# KiCad board misrc_v2.5_top_panel.kicad_pcb
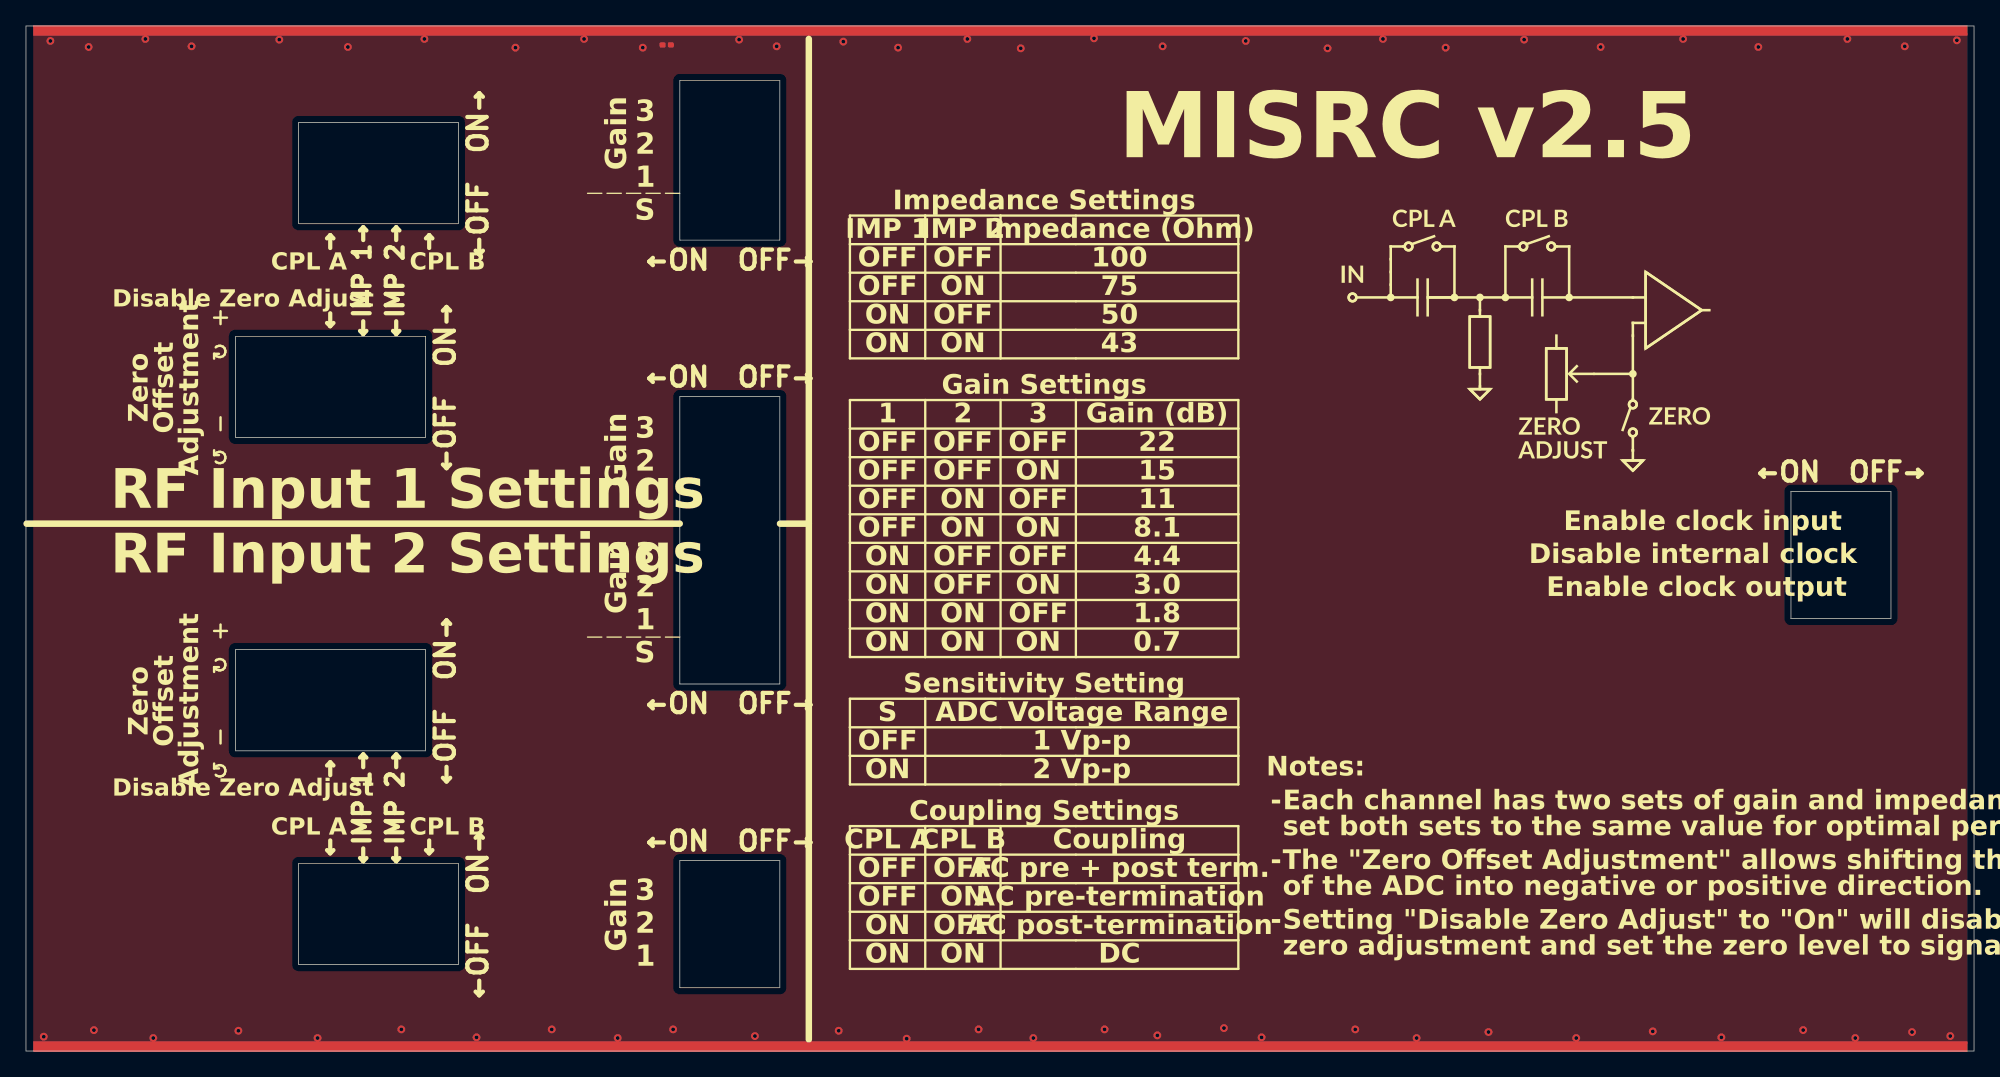
[diagram p0: board, top side]
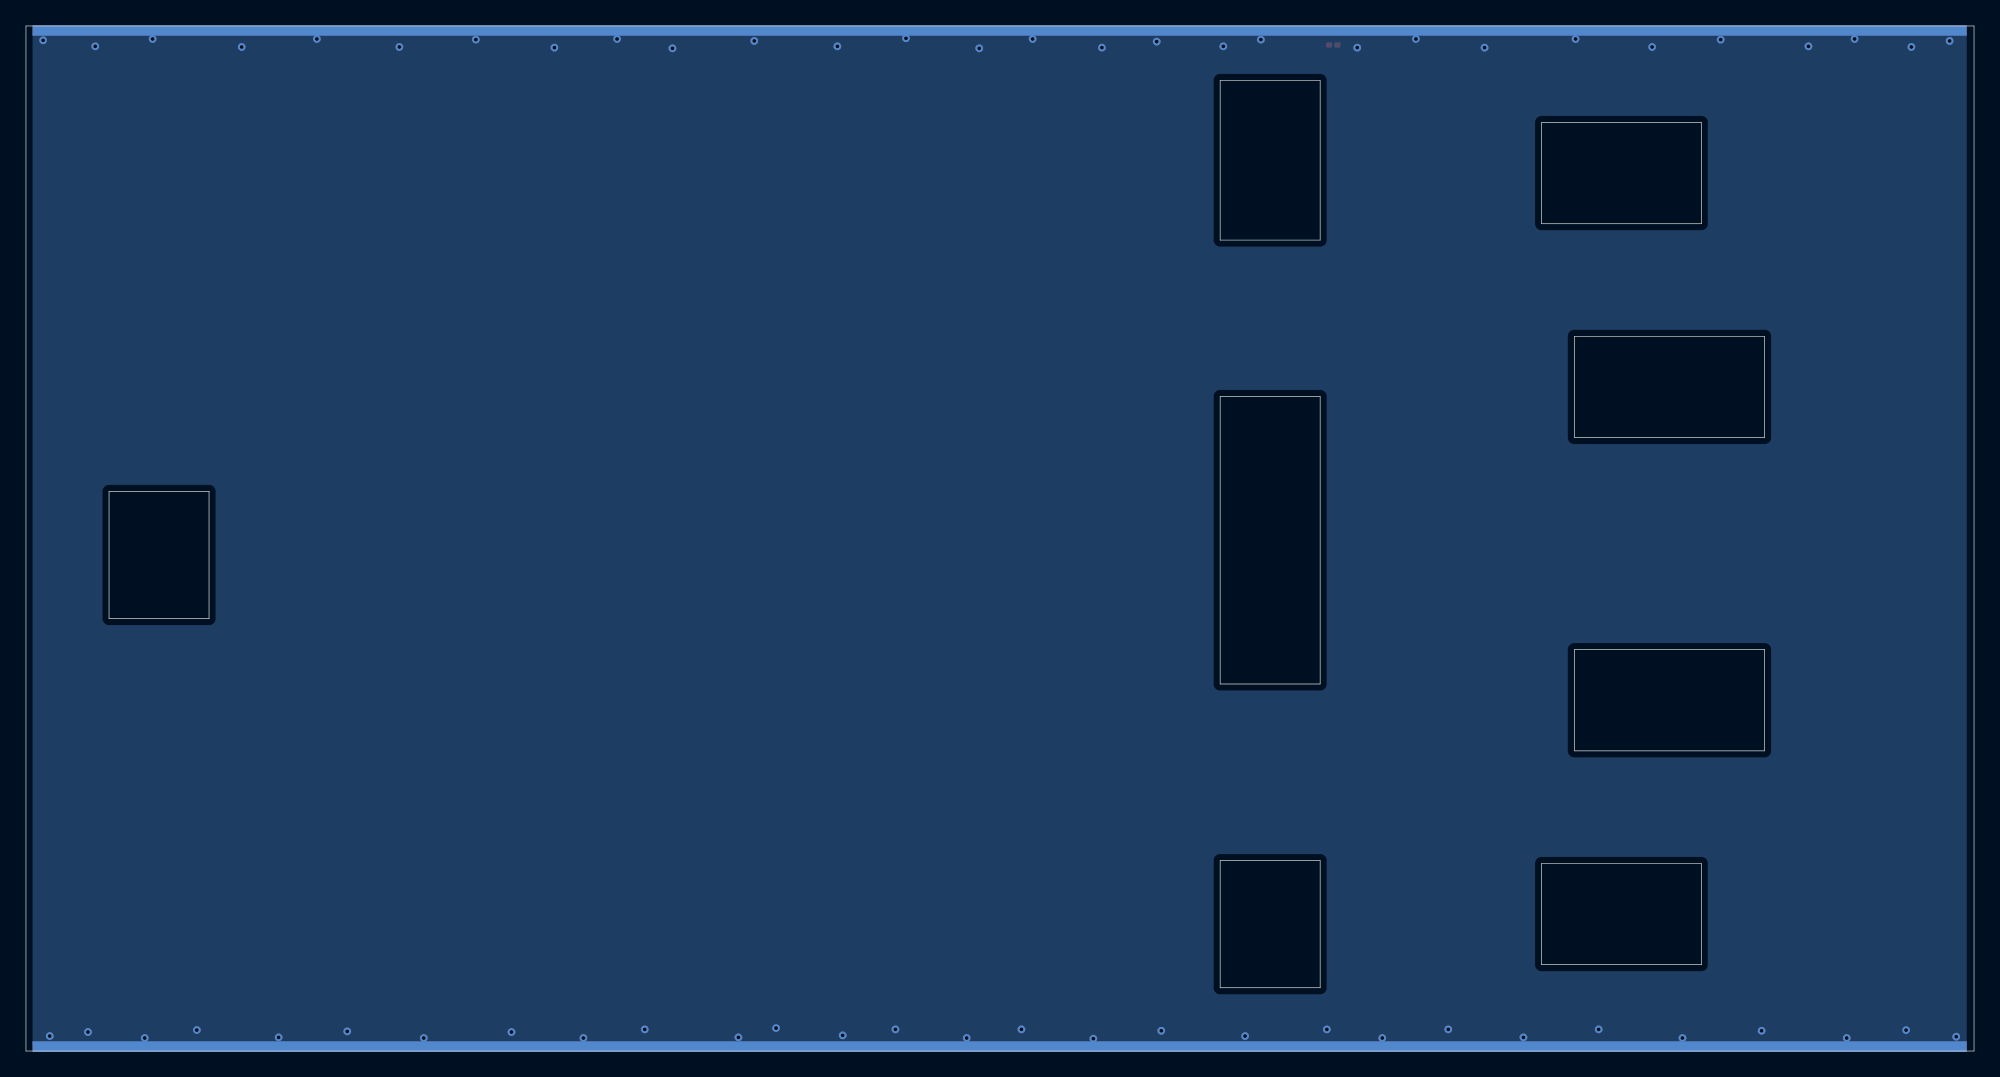
[diagram p1: board, bottom side, seen from below]

Outline 150.01 x 78.97 mm; copper layers: Top, Bottom. Coordinates in mm from the lower left corner of the outline.
Outline path: 0,78.97 0,0 150.01,0 150.01,78.97 0,78.97 ; 16.13,55.06 16.13,47.26 30.78,47.26 30.78,55.06 16.13,55.06 ; 16.13,30.93 16.13,23.13 30.78,23.13 30.78,30.93 16.13,30.93 ; 21,71.53 21,63.73 33.3,63.73 33.3,71.53 21,71.53 ; 21,14.45 21,6.65 33.3,6.65 33.3,14.45 21,14.45 ; 50.35,74.77 50.35,62.47 58.05,62.47 58.05,74.77 50.35,74.77 ; 50.35,50.43 50.35,28.28 58.05,28.28 58.05,50.43 50.35,50.43 ; 50.35,14.68 50.35,4.88 58.05,4.88 58.05,14.68 50.35,14.68 ; 135.91,43.11 135.91,33.31 143.61,33.31 143.61,43.11 135.91,43.11
Stack: Top 0.035mm / dielectric 1.51mm FR4 er 4.5 / Bottom 0.035mm

## Placement (name value [footprint] x y rotation side)
H1  MountingHole  [misrc_settings_all]  63.45 66.56 0 top  (not fitted)
H2  MountingHole  [misrc_input_circuit]  115.52 54.7 0 top  (not fitted)
R1  R  [R_0201_0603Metric]  49.34 77.51 0 top  (not fitted)

## Library data of the parts
H1 H2 = -: Description: Mounting Hole without connection; ki_fp_filters: MountingHole*
R1 = -: Description: Resistor; ki_fp_filters: R_*

## Footprints (pads in the part's own frame, mm; a bottom-side part is the same pattern mirrored in y, then rotated)
R_0201_0603Metric
  rrect 0.318x0.36 smd: (-0.345,0) (0.345,0)
  rrect 0.46x0.4 smd: 1(-0.32,0) 2(0.32,0)

## Nets
GND: R1.1 R1.2

## Via types
v1: diameter 0.6, hole 0.3, Top to Bottom, 58 vias

## Routing (per net, layer and track width the routed paths; a pad name or vN(x,y) marks a point on that pad's centre or on a via; arc(x,y) is an arc through that point)
GND:
  vias: v1(1.37,1.1) v1(1.88,77.81) v1(4.83,77.35) v1(5.23,1.61) v1(9.19,77.96) v1(9.8,1) v1(12.75,77.4) v1(16.36,1.56) v1(19.51,77.91) v1(22.45,1) v1(24.79,77.35) v1(28.91,1.67) v1(30.68,77.96) v1(34.7,1.05) v1(37.69,77.3) v1(40.49,1.67) v1(42.98,77.96) v1(45.57,1) v1(47.5,77.3) v1(49.83,1.67) v1(54.91,77.91) v1(56.13,1.15) v1(57.81,77.4) v1(62.59,1.56) v1(62.94,77.76) v1(67.16,77.3) v1(67.82,0.95) v1(72.49,77.96) v1(73.36,1.67) v1(76.61,77.25) v1(77.57,1) v1(82.25,78.02) v1(83.06,1.67) v1(87.12,1.21) v1(87.53,77.4) v1(92.25,1.77) v1(93.93,77.81) v1(95.15,1.05) v1(100.23,77.25) v1(102.36,1.67) v1(104.5,77.96) v1(107.09,1) v1(109.32,77.3) v1(112.62,1.46) v1(115.37,77.91) v1(119.38,1) v1(121.26,77.35) v1(125.27,1.52) v1(127.61,77.96) v1(130.56,1.05) v1(133.4,77.35) v1(136.86,1.62) v1(140.26,77.96) v1(140.87,1) v1(144.68,77.4) v1(145.24,1.46) v1(148.18,1.15) v1(148.69,77.86)

## Copper pours and planes (outline as drawn; the poured copper is in the pictures)
GND on Top, Bottom: 0.56,78.93 0.56,0.04 149.5,0.04 149.5,78.93

## Text on the board
F.Silkscreen: Disable Zero Adjust | CPL A | CPL B | → | ← | ←IMP 1→ | ←IMP 2→ | Notes: | - | Each channel has two sets of gain and impedance switches, | set both sets to the same value for optimal performance. | The {dblquote}Zero Offset Adjustment{dblquote} allows shifting the zero level | of the ADC into negative or positive direction. | Setting {dblquote}Disable Zero Adjust{dblquote} to {dblquote}On{dblquote} will disable the | zero adjustment and set the zero level to signal ground. | Disable internal clock | Enable clock output | Enable clock input | ←ON  OFF→ | ←OFF  ON→ | Zero | Offset | Adjustment | 3 | 2 | Gain | 1 | S | RF Input 1 Settings | RF Input 2 Settings | MISRC v2.5 | ↺ -    ↻ +
